# Altium PCB STM32MP25XXAK_2_DDR3L.PcbDoc (part 2 of 6)
Units mm, origin at the board's own origin, x right, y up, seen from the top; angles counter-clockwise.
Board outline 120 x 79.6 mm, 4 copper layers (Top Layer, Signal Layer 1, Signal Layer 2, Bottom Layer), stack 1.614 mm thick; 247 components, 155 nets, 1312 pads, 792 vias.
Unrouted connection lines stored in the file: 6.
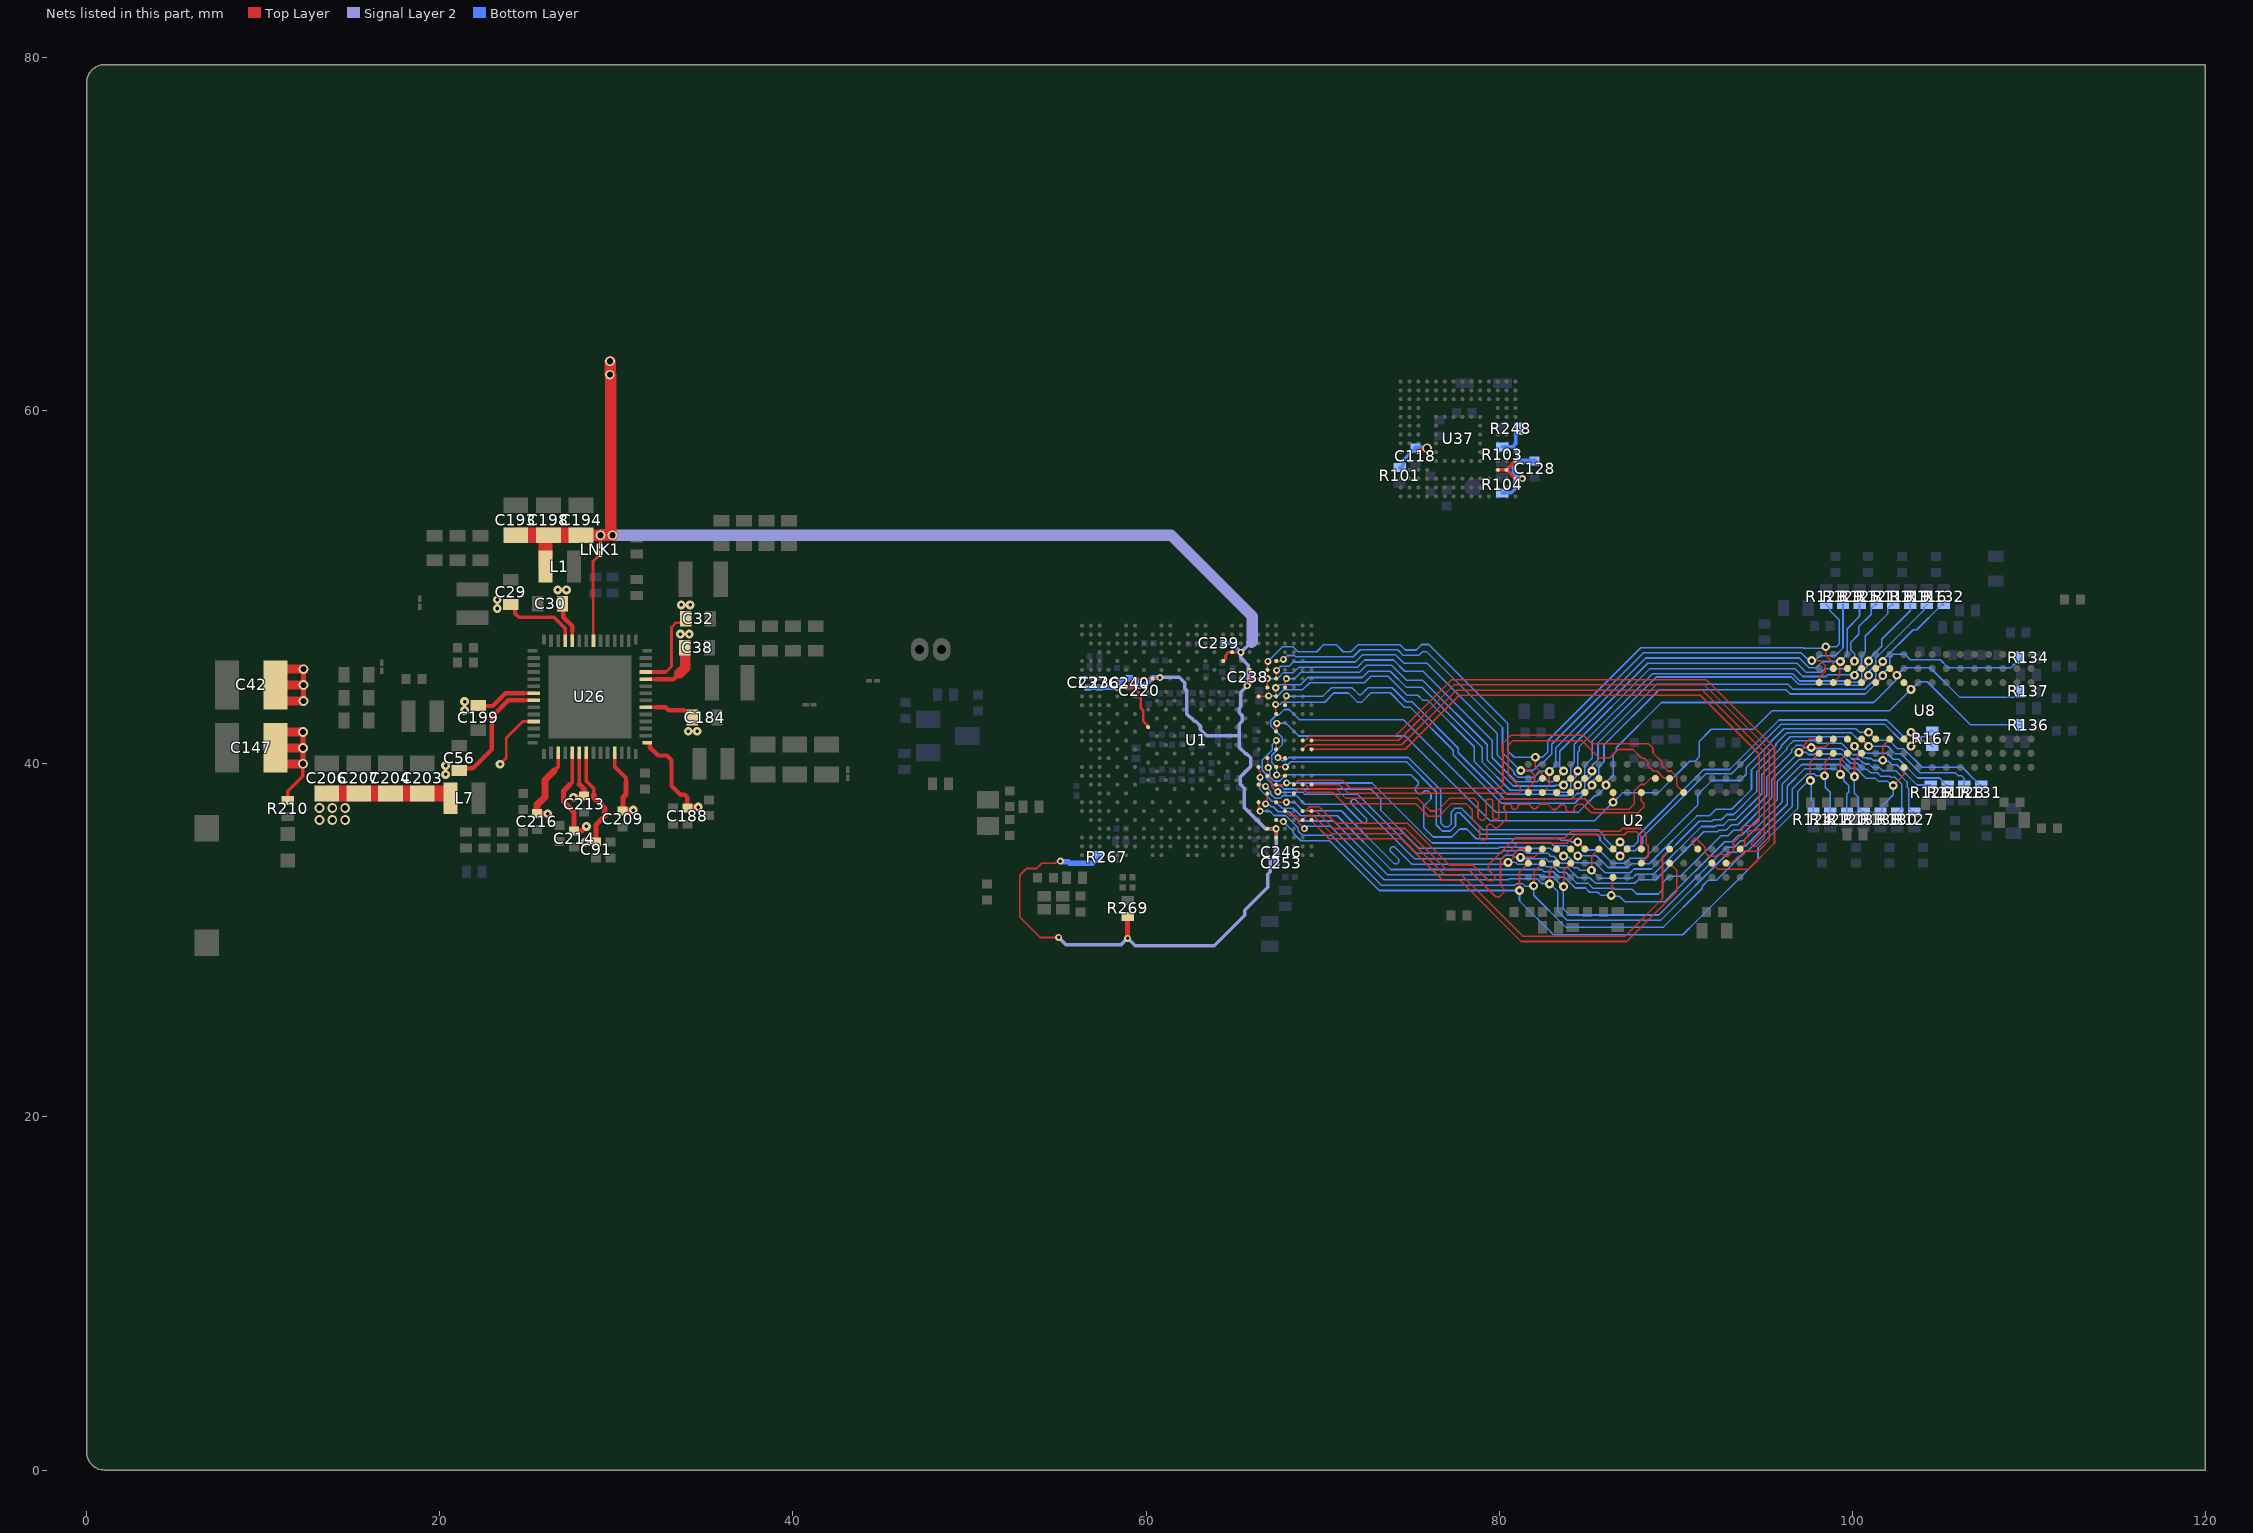
[diagram p4: the nets of this part, all layers, seen from the top]

## Part data
B2: library part MCD-03492, "Switch tactile, SPST-NO, 50mA, 12V, 6x3.8mm", Manufacturer="WURTH ELEKTRONIC", Manufacturer_Part_Number=434121025816, Package=6x3.8mm, Component_Country_Of_Origin=China°, ComponentLink1URL=http://tunmcdsvn.tun.st.com/Component_Documentation_Library/Trunk/Misc/WURTH_ELECTRONIK_434121025816, ID=5608, Internal_Part_Number=MCD-03492, Order_Code_Digikey=732-7045-2-ND, Order_Code_Farnell=1867991, Order_Code_RS=N/A, Part_Preference=Recommended, Part_Type=Misc, ShowFields=YES, Status=Checked
C9 C118 C130: library part MCD-00006, "Capacitor, MLCC, 100nF, 16V, X7R, +/-10%, 0402, T=0.5mm", Alternate_Manufacturer=MURATA, Alternate_Manufacturer_Part_Number=GCM155R71C104KA55D, Manufacturer=YAGEO, Manufacturer_Part_Number=CC0402KRX7R7BB104, Package=0402, Alternate_EMS=M, Component_Country_Of_Origin=China, ComponentLink1Description=Datasheet, ComponentLink1URL=http://tunmcdsvn.tun.st.com/Component_Documentation_Library/Trunk/Capacitor/YAGEO_X7R_Series, ID=2474, Internal_Part_Number=MCD-00006, Order_Code_Digikey=311-1338-1-ND, Order_Code_Farnell=9402047, Order_Code_RS=616-9701, Part_Preference=Recommended, Part_Type=Capacitor, Partial_Alternate_Internal_Part_Number=MCD-03299, ShowFields=YES, Status=Released
C22 C23 C24 C26 C27 C28 C34 C35 C36 C37 C41 C183 C200 C202: library part MCD-00100, "Capacitor, MLCC, 22uF, 6V3, X5R, +/-20%, 0603, T=0,8mm", Alternate_Manufacturer=N/A, Manufacturer=MURATA, Manufacturer_Part_Number=GRM188R60J226MEA0J, Package=0603, Alternate_Manufacturer_Part_Number=N/A, Component_Country_Of_Origin=Japan, ComponentLink1Description=Part_Information, ComponentLink1URL=http://tunmcdsvn.tun.st.com/Component_Documentation_Library/Trunk/Capacitor/MURATA_GRM_Series, ID=2766, Internal_Part_Number=MCD-00100, Order_Code_Digikey=490-7612-2-ND, Order_Code_Farnell=N/A, Order_Code_RS=N/A, Part_Preference=Recommended, Part_Type=Capacitor, ShowFields=YES, Status=Released
C29 C30 C32 C38 C56 C184 C199: library part MCD-00099, "Capacitor, MLCC, 10uF, 10V, X5R, +/-10%, 0603, T=0,8mm", Alternate_Manufacturer=N/A, Manufacturer=MURATA, Manufacturer_Part_Number=GRM188R61A106KE69D, Package=0603, Alternate_Manufacturer_Part_Number=N/A, Component_Country_Of_Origin=Japan, ComponentLink1Description=Part_Information, ComponentLink1URL=http://tunmcdsvn.tun.st.com/Component_Documentation_Library/Trunk/Capacitor/MURATA_GRM_Series, ID=2770, Internal_Part_Number=MCD-00099, Order_Code_Digikey=490-10474-1-ND, Order_Code_Farnell=2494233, Order_Code_RS=170-6168, Part_Preference=Recommended, Part_Type=Capacitor, ShowFields=YES, Status=Released
C33: library part MCD-00011, "Capacitor, MLCC, 10nF, 16V, X7R, 10%, 0402, T=0.5mm", Manufacturer=YAGEO, Manufacturer_Part_Number=CC0402KRX7R7BB103, Package=C0402, ComponentLink1Description=Datasheet, ComponentLink1URL=http://tunmcdsvn.tun.st.com/Component_Datasheet_Library/Trunk/Capacitors/Yageo_Multilayer_Capacitor_X7R_series_100pF_to_22uF, ECCN_EU=n/a, ECCN_US=n/a, Initial_Board_Reference=MB1274, Internal_Part_Number=MCD-00011, Part_Type=Capacitor, Provided_By=SUBCO, Status=Released
C39 C40: library part MCD-03140, "Capacitor, MLCC, 10uF, 6.3V, X5R, +/-20%, 0402, T=0.5mm", Manufacturer=MURATA, Manufacturer_Part_Number=GRM155R60J106ME05D, Package=0402, ComponentLink1URL=http://tunmcdsvn.tun.st.com/Component_Documentation_Library/Trunk/Capacitor/MURATA_GRM_Series, ID=5256, Internal_Part_Number=MCD-03140, Order_Code_Digikey=490-GRM155R60J106ME05DTR-ND, Order_Code_Farnell=3784428, Order_Code_RS=N/A, Part_Preference=Recommended, Part_Type=Capacitor, ShowFields=YES
  C39: Status=New
  C40: Component_Country_Of_Origin="China, Japan", Status=Checked
C42 C147: library part MCD-01796, "Capacitor, Tantalum, 100uF, 6V3, 40mR, +/-20%,  Type_B (3528 metric), T=1.9mm", Manufacturer=AVX, Manufacturer_Part_Number=TCJB107M006R0040, Package="3528 (metric)", Component_Country_Of_Origin=Lanskroun, ComponentLink1URL=http://tunmcdsvn.tun.st.com/Component_Documentation_Library/Trunk/Capacitor/AVX_TCJ_Series, ID=3896, Internal_Part_Number=MCD-01796, Order_Code_Digikey=478-9994-2-ND, Order_Code_Farnell=2728622, Order_Code_RS=N/A, Part_Preference=Recommended, Part_Type=Capacitor, Revision="July-2002: Re-released for DXP Platform.", ShowFields=YES, Status=Released
C43 C188 C213 C216: library part MCD-00095, "Capacitor, MLCC, 1uF, 25V, X5R, +/-10%, 0402, T=0.5mm", Manufacturer=MURATA, Manufacturer_Part_Number=GRM155R61E105KA12, Package=0402, Component_Country_Of_Origin=Japan, ComponentLink1URL=http://tunmcdsvn.tun.st.com/Component_Documentation_Library/Trunk/Capacitor/MURATA_GRM_Series, ID=2772, Internal_Part_Number=MCD-00095, Order_Code_Digikey=490-10017-1-ND, Order_Code_Farnell=2218855, Order_Code_RS=846-7287, Part_Preference=Recommended, Part_Type=Capacitor, ShowFields=YES, Status=Released
C44 C45 C46 C47 C48 C49 C50 C51 C52 C53 C54 C55 C57 C58 C59 C60 C62 C63 C64 C65 C66 C67 C68 C69 C70 C71 C72 C73 C74 C75 C76 C77 C82 C83: library part MCD-02377, "Capacitor, MLCC, 1uF, 6.3V, X5R, +/-20%, 0201, T=0,3mm", Manufacturer=MURATA, Manufacturer_Part_Number=GRM033R60J105MEA2, Package=0201, Component_Country_Of_Origin=Japan, ComponentLink1URL=http://tunmcdsvn.tun.st.com/Component_Documentation_Library/Trunk/Capacitor/MURATA_GRM_Series/GRM033R60J105MEA2/, ID=4483, Internal_Part_Number=MCD-02377, Order_Code_Digikey=490-7229-2-ND, Order_Code_Farnell=2470448, Order_Code_RS=820-0643, Part_Preference=Recommended, Part_Type=Capacitor, ShowFields=YES, Status=Checked
C61 C91 C189 C190 C208 C209 C214 C215 C217: library part MCD-01356, "Capacitor, MLCC, 4.7uF, 6V3, X5R, +/-20%, 0402, T=0.5mm", Manufacturer=MURATA, Manufacturer_Part_Number=GRM155R60J475ME47, Package=0402, Component_Country_Of_Origin=Japan, ComponentLink1URL=http://tunmcdsvn.tun.st.com/Component_Documentation_Library/Trunk/Capacitor/MURATA_GRM_Series, ID=3456, Internal_Part_Number=MCD-01356, Order_Code_Digikey=490-5915-1-ND, Order_Code_Farnell=2666407, Order_Code_RS=814-5230, Part_Preference=Recommended, Part_Type=Capacitor, ShowFields=YES, Status=Released
C81 C86 C90 C92: library part MCD-00674, "Capacitor, MLCC, 6.8pF, 50V, NPO, +-0.25pF, 0402, T=0.5mm", Alternate_Manufacturer=N/A, Manufacturer=YAGEO, Manufacturer_Part_Number=CC0402CRNPO9BN6R8, Package=0402, Alternate_Manufacturer_Part_Number=N/A, Component_Country_Of_Origin=China, ComponentLink1Description=Datasheet, ComponentLink1URL=http://tunmcdsvn.tun.st.com/Component_Documentation_Library/Trunk/Capacitor/YAGEO_NP0_Series, ID=3068, Initial_Board_Reference=MB1319, Internal_Part_Number=MCD-00674, Order_Code_Digikey=311-3327-1-ND, Order_Code_Farnell=N/A, Order_Code_RS=N/A, Part_Preference=Recommended, Part_Type=Capacitor, Provided_By=SUBCO, ShowFields=YES, Status=Released
  C81 C86: Item Type=Item, Path=ws/MCD_ApplicationBoards/Lists/MCDPARTSdatabase
  C90 C92: ECCN_EU=n/a, ECCN_US=n/a
C87: library part MCD-00006, "Capacitor,100nF,16V,X7R,10%,0402", Alternate_Manufacturer=MURATA, Alternate_Manufacturer_Part_Number=GCM155R71C104KA55D, Manufacturer=YAGEO, Manufacturer_Part_Number=CC0402KRX7R7BB104, Package=0402, Alternate_EMS=M, Component_Country_Of_Origin=China, ComponentLink1Description=Datasheet, ComponentLink1URL=http://tunmcdsvn.tun.st.com/Component_Documentation_Library/Trunk/Capacitor/YAGEO_X7R_Series, ECCN_EU=n/a, ECCN_US=n/a, ID=2474, Initial_Board_Reference=MB1274, Internal_Part_Number=MCD-00006, Order_Code_Digikey=311-1338-1-ND, Order_Code_Farnell=9402047, Order_Code_RS=616-9701, Part_Preference=Recommended, Part_Type=Capacitor, Partial_Alternate_Internal_Part_Number=MCD-03299, Provided_By=SUBCO, ShowFields=YES, Status=Released
C88: library part MCD-01823, "Capacitor, MLCC, 2.2uF, 6V3, X5R,+/-10%, 0402, T=0.5mm", Alternate_Manufacturer=N/A, Manufacturer=MURATA, Manufacturer_Part_Number=GRM155R60J225KE95D, Package=0402, Alternate_Manufacturer_Part_Number=N/A, Component_Country_Of_Origin=Japan, ComponentLink1URL=http://tunmcdsvn.tun.st.com/Component_Documentation_Library/Trunk/Capacitor/MURATA_GRM_Series, ID=3923, Internal_Part_Number=MCD-01823, Order_Code_Digikey=490-12532-1-ND, Order_Code_Farnell=2695865, Order_Code_RS=172-6478, Part_Preference=Recommended, Part_Type=Capacitor, ShowFields=YES, Status=Released
C100 C101 C109 C110: library part MCD-00099, "Capacitor, MLCC, 10uF, 10V, X5R, +/-10%, 0603, T=0.8mm", Alternate_Manufacturer=N/A, Manufacturer=MURATA, Manufacturer_Part_Number=GRM188R61A106KE69D, Package=0603, Alternate_Manufacturer_Part_Number=N/A, ComponentLink1URL=http://tunmcdsvn.tun.st.com/Component_Documentation_Library/Trunk/Capacitor/MURATA_GRM_Series, Internal_Part_Number=MCD-00099, Order_Code_Digikey=490-10474-1-ND, Order_Code_Farnell=2494233, Order_Code_RS=170-6168, Part_Preference=Recommended, Part_Type=Capacitor, Status=Released
C102 C103 C104 C105 C106 C107 C108 C111 C112 C113 C114 C115 C116 C119 C120 C121 C122 C125 C126 C127 C129 C131 C132 C133 C134 C135 C136 C137 C138 C139 C140 C146 C167 C177: library part MCD-00006, "Capacitor, MLCC, 100nF, 16V, X7R, +/-10%, 0402, T=0.5mm", Alternate_Manufacturer=MURATA, Alternate_Manufacturer_Part_Number=GCM155R71C104KA55D, Manufacturer=YAGEO, Manufacturer_Part_Number=CC0402KRX7R7BB104, Package=C0402, ComponentLink1Description=Datasheet, ComponentLink1URL=http://tunmcdsvn.tun.st.com/Component_Datasheet_Library/Trunk/Capacitors/Yageo_Multilayer_Capacitor_X7R_series_100pF_to_22uF, Internal_Part_Number=MCD-00006, Order_Code_Digikey=311-1338-1-ND, Order_Code_Farnell=9402047, Order_Code_RS=616-9701, Part_Preference=Recommended, Part_Type=Capacitor, Status=Released
C117 C128 C148: library part MCD-02606, "Capacitor, MLCC, 2.2uF, 6.3V, X5R, +/-10%, 0402, T=0.5mm", Manufacturer=YAGEO, Manufacturer_Part_Number=CC0402KRX5R5BB225, Package=0402, Component_Country_Of_Origin=China°, ComponentLink1URL=http://tunmcdsvn.tun.st.com/Component_Documentation_Library/Trunk/Capacitor/YAGEO_X5R_Series, ID=4712, Internal_Part_Number=MCD-02606, Order_Code_Digikey=311-1682-2-ND, Order_Code_Farnell=3366429, Order_Code_RS=1992205, Part_Preference=Recommended, Part_Type=Capacitor, ShowFields=YES, Status=Checked
C123 C124: library part MCD-00100, "Capacitor, MLCC, 22uF, 6V3, X5R, +/-20%, 0603, T=0,8mm", Manufacturer=MURATA, Manufacturer_Part_Number=GRM188R60J226MEA0J, Package=C0603, ComponentLink1Description=Datasheet, ComponentLink1URL=http://tunmcdsvn.tun.st.com/Component_Datasheet_Library/Trunk/Capacitors/Murata_Capacitor_GR_series, Internal_Part_Number=MCD-00100, Order_Code_Digikey=490-7612-2-ND, Order_Code_Farnell=N/A, Order_Code_RS=N/A, Part_Preference=Recommended, Part_Type=Capacitor, Status=Released
C151 C250 C252 C260: library part MCD-02377, "Capacitor, MLCC, 1uF, 6.3V, X5R, +/-20%, 0201, T=0,3mm", Alternate_Manufacturer=N/A, Manufacturer=MURATA, Manufacturer_Part_Number=GRM033R60J105MEA2, Package=0201, Alternate_Manufacturer_Part_Number=N/A, Component_Country_Of_Origin=Japan, ComponentLink1URL=http://tunmcdsvn.tun.st.com/Component_Documentation_Library/Trunk/Capacitor/MURATA_GRM_Series/GRM033R60J105MEA2/, ID=4483, Internal_Part_Number=MCD-02377, Order_Code_Digikey=490-7229-2-ND, Order_Code_Farnell=2470448, Order_Code_RS=820-0643, Part_Preference=Recommended, Part_Type=Capacitor, ShowFields=YES, Status=Checked
C185 C186 C187 C193 C194 C198 C203 C204 C206 C207: library part MCD-03139, "Capacitor, MLCC, 22uF, 10V, X5R, +/-20%, 0805, T=1,25mm", Manufacturer=MURATA, Manufacturer_Part_Number=GRM21BR61A226ME51L, Package=0805, Component_Country_Of_Origin="China, Japan", ComponentLink1URL=http://tunmcdsvn.tun.st.com/Component_Documentation_Library/Trunk/Capacitor/MURATA_GRM_Series, ID=5255, Internal_Part_Number=MCD-03139, Order_Code_Digikey=490-10511-2-ND, Order_Code_Farnell=2494270, Order_Code_RS=N/A, Part_Preference=Recommended, Part_Type=Capacitor, ShowFields=YES, Status=Checked
C192 C195 C196 C197 C201 C205 C220 C234 C236 C237 C238 C239 C240 C244 C246 C248 C251 C253: library part MCD-01535, "Capacitor, MLCC,100nF, 10V, X7R, +/-10%, 0201, T=0.3mm", Alternate_Manufacturer=N/A, Manufacturer=MURATA, Manufacturer_Part_Number=GRM033R61A104KE15, Package=0201, Alternate_Manufacturer_Part_Number=N/A, Component_Country_Of_Origin=Japan, ComponentLink1URL=http://tunmcdsvn.tun.st.com/Component_Documentation_Library/Trunk/Capacitor/MURATA_GRM_Series, ID=3635, Internal_Part_Number=MCD-01535, Order_Code_Digikey=490-5881-1-ND, Order_Code_Farnell=2470450, Order_Code_RS=790-2742, Part_Preference=Recommended, Part_Type=Capacitor, ShowFields=YES, Status=Checked
C219: library part MCD-02198, "Capacitor, MLCC, 10nF, 50V, X7R, +/-10%, 0402, T=0.5mm", Manufacturer=YAGEO, Manufacturer_Part_Number=CC0402KRX7R9BB103, Package=0402, Component_Country_Of_Origin=China, ComponentLink1URL=http://tunmcdsvn.tun.st.com/Component_Documentation_Library/Trunk/Capacitor/YAGEO_X7R_Series, ID=4298, Internal_Part_Number=MCD-02198, Order_Code_Digikey=N/A, Order_Code_Farnell=N/A, Order_Code_RS=6169644, Part_Preference=Recommended, Part_Type=Capacitor, ShowFields=YES, Status=Checked
C225: library part MCD-01534, "Capacitor, MLCC, 4,7uF, 6V3, X5R, +/-20%, 0201, T=0.5mm", Alternate_Manufacturer=N/A, Manufacturer=MURATA, Manufacturer_Part_Number=GRM035R60J475ME15, Package=0201, Alternate_Manufacturer_Part_Number=N/A, Component_Country_Of_Origin=Japan, ComponentLink1URL=http://tunmcdsvn.tun.st.com/Component_Documentation_Library/Trunk/Capacitor/MURATA_GRM_Series, ID=3634, Internal_Part_Number=MCD-01534, Order_Code_Digikey=490-13230-1-ND, Order_Code_Farnell=N/A, Order_Code_RS=N/A, Part_Preference=Recommended, Part_Type=Capacitor, ShowFields=YES, Status=Checked
C235: library part MCD-02235, "Capacitor, MLCC, 2.2uF, 10V, X5R,+/-10%, 0201, T=0.5mm", Manufacturer=MURATA, Manufacturer_Part_Number=GRM033R61A225KE47D, Package=0201, Component_Country_Of_Origin=Japan, ComponentLink1URL=http://tunmcdsvn.tun.st.com/Component_Documentation_Library/Trunk/Capacitor/MURATA_GRM_Series, ID=4335, Internal_Part_Number=MCD-02235, Order_Code_Digikey=490-13227-1-ND, Order_Code_Farnell=NA, Order_Code_RS=NA, Part_Preference=Recommended, Part_Type=Capacitor, ShowFields=YES, Status=Checked
CN12: library part MCD-00655, "Header 2 circuits, 1.25mm Pitch ,  Vertical, with Friction Lock", Alternate_Manufacturer=N/A, Manufacturer=MOLEX, Manufacturer_Part_Number=53047-0210, Alternate_Manufacturer_Part_Number=N/A, BMS_Part_Number=9083002, Component_Country_Of_Origin=Unknown, ComponentLink1Description=Datasheet, ComponentLink1URL=http://tunmcdsvn.tun.st.com/Component_Documentation_Library/Trunk/Connector/MOLEX_53047-0210/, ECCN_EU=n/a, ECCN_US=n/a, ID=3091, Initial_Board_Reference=MB1272, Internal_Part_Number=MCD-00655, Order_Code_Digikey=WM1731-ND, Order_Code_Farnell=9733051, Order_Code_RS=279-9213, Part_Preference=Recommended, Part_Type=Connector, Provided_By=SUBCO, ShowFields=YES, Status=Released
D6: library part MCD-03280, "Diode, Schottky, Dual Common Cathode, 0V3, 300mA, 40V, SOT-23", Manufacturer=STMICROELECTRONICS, Manufacturer_Part_Number=BAT54CFILM, Package=SOT-23, Component_Country_Of_Origin=China, ComponentLink1URL=http://tunmcdsvn.tun.st.com/Component_Documentation_Library/Trunk/Diode/STMICROELECTRONICS_BAT54_Series, Full_Alternate_Internal_Part_Number="BAT54C+, BAT54CLT1G, BAT54C-7-F, BAT54C,215", ID=5396, Internal_Part_Number=MCD-03280, Order_Code_Digikey=N/A, Order_Code_Farnell=9801499, Order_Code_RS=795-8397, Part_Preference=Recommended, Part_Type=Diode, ShowFields=YES, Status=New
D7: library part MCD-00034, Manufacturer=STMICROELECTRONICS, Manufacturer_HQ_COO=EU, BMS_Part_Number=9151097, Component_Country_Of_Origin=China, ComponentLink1URL=http://tunmcdsvn.tun.st.com/Component_Datasheet_Library/Trunk/Diodes/STM_Diode_BAT60JFILM-SOD323, ID=2483, Internal_Part_Number=MCD-00034, Manufacturer_Part_Number=BAT60JFILM, Part_Preference=Recommended, Part_Type=Diode, ShowFields=YES, Status=Released
L1 L6: library part MCD-03143, "Inductor, 2.2uH, +/-20%, Itemp= 1700mA, Isat= 2400mA, 0R140, 0806, T=1mm", Manufacturer=MURATA, Manufacturer_Part_Number=DFE201610E-2R2M=P2, Package=0806, Component_Country_Of_Origin=Vietnam, ComponentLink1URL=http://tunmcdsvn.tun.st.com/Component_Documentation_Library/Trunk/Inductor/MURATA_DFE201610E_Series, ID=5259, Internal_Part_Number=MCD-03143, Order_Code_Digikey="490-17728-2-ND -", Order_Code_Farnell=N/A, Order_Code_RS=N/A, Part_Preference=Recommended, Part_Type=Inductor, ShowFields=YES, Status=Checked
L2 L4: library part MCD-03142, "Inductor, 0.68uH, +/-20%, Itemp= 3900mA, Isat= 5400mA, 0R031, 1008, T=1.2mm", Manufacturer=MURATA, Manufacturer_Part_Number=DFE252012F-R68M=P2, Package=1008, Component_Country_Of_Origin=Vietnam, ComponentLink1URL=http://tunmcdsvn.tun.st.com/Component_Documentation_Library/Trunk/Inductor/MURATA_DFE252012F-6R8M=P2, ID=5258, Internal_Part_Number=MCD-03142, Order_Code_Digikey=490-13044-2-ND, Order_Code_Farnell=N/A, Order_Code_RS=N/A, Part_Preference=Recommended, Part_Type=Inductor, ShowFields=YES, Status=Checked
L3 L5 L7: library part MCD-03141, "Inductor, 0.68uH, +/-20%, Itemp= 3100mA, Isat= 4300mA, 0R043, 0806, T=1mm", Manufacturer=MURATA, Manufacturer_Part_Number=DFE201610E-R68M=P2, Package=0806, Component_Country_Of_Origin=Vietnam, ComponentLink1URL=http://tunmcdsvn.tun.st.com/Component_Documentation_Library/Trunk/Inductor/MURATA_DFE201610E_Series, ID=5257, Internal_Part_Number=MCD-03141, Order_Code_Digikey=N/A, Order_Code_Farnell=N/A, Order_Code_RS=N/A, Part_Preference=Recommended, Part_Type=Inductor, ShowFields=YES, Status=Checked
LD11: library part MCD-00588, "LED Green, 0603 SMD, Forward Voltage Typ=2V, Max=2.5V", Alternate_Manufacturer="VISHAY SEMICONDUCTOR OPTO DIVISION", Alternate_Manufacturer_Part_Number=VLMTG1300-GS08, Manufacturer="OSRAM OPTO SEMICONDUCTORS", Manufacturer_Part_Number="LG Q396-PS-35", Package="LED 0603", Alternate_Internal_Part_Number=MCD-02400, Component_Country_Of_Origin=Unknown, ComponentLink1Description=Datasheet, ComponentLink1URL=http://tunmcdsvn.tun.st.com/Component_Documentation_Library/Trunk/Display/OSRAM_OPTO_SEMICONDUCTORS_LG-Q396-PS-35, ECCN_EU=n/a, ECCN_US=n/a, Full_Alternate_Internal_Part_Number=MCD-02400, ID=3155, Internal_Part_Number=MCD-00588, Order_Code_Digikey="LG Q396-PS-35-ND", Order_Code_Farnell=N/A, Order_Code_RS=N/A, Part_Preference=Recommended, Part_Type=Display, Provided_By=SUBCO, ShowFields=YES, Status=Released
LNK1 LNK2 LNK4 LNK7 LNK8 LNK11: library part MCD-02777, "Track link on PCB 200um width for layout routing", Manufacturer=N/A, ComponentLink1URL=http://tunmcdsvn.tun.st.com/Component_Documentation_Library/Trunk, ID=4889, Internal_Part_Number=MCD-02777, Manufacturer_Part_Number=link_200, Order_Code_Digikey=N/A, Order_Code_Farnell=N/A, Order_Code_RS=N/A, Part_Preference=Recommended, Part_Type=Misc, ShowFields=YES, Status=Checked
R1: library part MCD-02253, "Resistor, 240R, 0201, +/-1%, 1/20W", Alternate_Manufacturer=N/A, Manufacturer=YAGEO, Manufacturer_Part_Number=RC0201FR-07240RL, Package=0201, Alternate_Manufacturer_Part_Number=N/A, Component_Country_Of_Origin=China, ComponentLink1URL=http://tunmcdsvn.tun.st.com/Component_Datasheet_Library/Trunk/Resistors/Yageo_Resistor_RC0201-series, ID=4353, Internal_Part_Number=MCD-02253, Order_Code_Digikey=YAG2528CT-ND, Order_Code_Farnell=N/A, Order_Code_RS=N/A, Part_Preference=Recommended, Part_Type=Resistor, ShowFields=YES, Status=Checked
R11: library part MCD-00056, "Resistor, 0R, 0603, +/-5%, 1/10W", Manufacturer=YAGEO, Manufacturer_Part_Number=RC0603JR-070RL, Package=0603, Component_Country_Of_Origin=China, ComponentLink1URL=http://tunmcdsvn.tun.st.com/Component_Documentation_Library/Trunk/Resistor/YAGEO_RC_L_Series, ID=2536, Internal_Part_Number=MCD-00056, Order_Code_Digikey=311-0.0GRCT-ND, Order_Code_Farnell=9233130RL, Order_Code_RS=N/A, Part_Preference=Recommended, Part_Type=Resistor, ShowFields=YES, Status=Released
R27 R272: library part MCD-00053, "Resistor,10K,0402,1%,1/16W", Alternate_Manufacturer=N/A, Manufacturer=YAGEO, Manufacturer_Part_Number=RC0402FR-0710KL, Package=0402, Alternate_Manufacturer_Part_Number=N/A, BMS_Part_Number=9131590, Component_Country_Of_Origin=China, ComponentLink1Description=Datasheet, ComponentLink1URL=http://tunmcdsvn.tun.st.com/Component_Documentation_Library/Trunk/Resistor/YAGEO_RC_L_Series, ID=2539, Internal_Part_Number=MCD-00053, Order_Code_Digikey=311-10.0KLRCT-ND, Order_Code_Farnell=9239359, Order_Code_RS=N/A, Part_Preference=Recommended, Part_Type=Resistor, ShowFields=YES, Status=Released
R46 R57 R59 R60 R61 R64 R75 R81 R267 R269 R286: library part MCD-00052, "Resistor,0R,0402,5%,1/16W", Alternate_Manufacturer=N/A, Manufacturer=YAGEO, Manufacturer_Part_Number=RC0402JR-070RL, Package=0402, Alternate_Manufacturer_Part_Number=N/A, Component_Country_Of_Origin=China, ComponentLink1Description=Datasheet, ComponentLink1URL=http://tunmcdsvn.tun.st.com/Component_Documentation_Library/Trunk/Resistor/YAGEO_RC_L_Series, ID=2540, Initial_Board_Reference=mb1274, Internal_Part_Number=MCD-00052, Order_Code_Digikey=311-0.0JRCT-ND, Order_Code_Farnell=9232516RL, Order_Code_RS=618-5804, Part_Preference=Recommended, Part_Type=Resistor, Provided_By=SUBCO, ShowFields=YES, Status=Released
  R46 R57 R59 R60 R61 R81 R267 R269 R286: ECCN_EU=NEC, ECCN_US=EAR99
  R64 R75: ECCN_EU=n/a, ECCN_US=n/a
R66: library part MCD-00058, "Resistor, 20R, 0402, +/-1%, 1/16W", Alternate_Manufacturer=N/A, Manufacturer=YAGEO, Manufacturer_Part_Number=RC0402FR-0720RL, Package=0402, Alternate_Manufacturer_Part_Number=N/A, BMS_Part_Number=9131027, Component_Country_Of_Origin=China, ComponentLink1URL=http://tunmcdsvn.tun.st.com/Component_Documentation_Library/Trunk/Resistor/YAGEO_RC_L_Series, ID=2537, Internal_Part_Number=MCD-00058, Order_Code_Digikey=311-20LRCT-ND, Order_Code_Farnell=1799192, Order_Code_RS=N/A, Part_Preference=Recommended, Part_Type=Resistor, ShowFields=YES, Status=Released
R67: library part MCD-00052, "Resistor, 0R, 0402, +/-5%, 1/16W", Manufacturer=YAGEO, Manufacturer_Part_Number=RC0402JR-070RL, Package=0402, Component_Country_Of_Origin=China, ComponentLink1URL=http://tunmcdsvn.tun.st.com/Component_Documentation_Library/Trunk/Resistor/YAGEO_RC_L_Series, ID=2540, Internal_Part_Number=MCD-00052, Order_Code_Digikey=311-0.0JRCT-ND, Order_Code_Farnell=9232516RL, Order_Code_RS=618-5804, Part_Preference=Recommended, Part_Type=Resistor, ShowFields=YES, Status=Released
R101 R103 R104 R248: library part MCD-00053, "Resistor,10K,0402,1%,1/16W", Manufacturer=YAGEO, Manufacturer_Part_Number=RC0402FR-0710KL, Package=0402, BMS_Part_Number=9131590, Component_Country_Of_Origin=China, ComponentLink1Description=Datasheet, ComponentLink1URL=http://tunmcdsvn.tun.st.com/Component_Documentation_Library/Trunk/Resistor/YAGEO_RC_L_Series, ECCN_EU=NEC, ECCN_US=EAR99, ID=2539, Internal_Part_Number=MCD-00053, Order_Code_Digikey=311-10.0KLRCT-ND, Order_Code_Farnell=9239359, Order_Code_RS=N/A, Part_Preference=Recommended, Part_Type=Resistor, Provided_By=SUBCO, ShowFields=YES, Status=Released
R116 R117 R118 R119 R120 R121 R122 R123 R124 R125 R126 R127 R128 R129 R130 R131 R132 R133 R134 R135 R136 R137 R138 R139 R140: library part MCD-00054, "Resistor, 56R, 0402, +/-1%, 1/16W", Alternate_Manufacturer=N/A, Manufacturer=YAGEO, Manufacturer_Part_Number=RC0402FR-0756RL, Package=0402, Alternate_Manufacturer_Part_Number=N/A, ComponentLink1URL=http://tunmcdsvn.tun.st.com/Component_Documentation_Library/Trunk/Resistor/YAGEO_RC_L_Series, Internal_Part_Number=MCD-00054, Order_Code_Digikey=311-56.0LRCT-ND, Order_Code_Farnell=9239081, Order_Code_RS=N/A, Part_Preference=Recommended, Part_Type=Resistor, Status=Released
R141 R142 R143 R144 R146 R147 R148 R149: library part MCD-00061, "Resistor, 1K, 0402, +/-1%,1/16W", Manufacturer=YAGEO, Manufacturer_Part_Number=RC0402FR-071KL, Package=0402, Component_Country_Of_Origin=China, ComponentLink1URL=http://tunmcdsvn.tun.st.com/Component_Documentation_Library/Trunk/Resistor/YAGEO_RC_L_Series, ID=2532, Internal_Part_Number=MCD-00061, Order_Code_Digikey=311-1.00KLRCT-ND, Order_Code_Farnell=9239235, Order_Code_RS=9239235, Part_Preference=Recommended, Part_Type=Resistor, ShowFields=YES, Status=Released
R145 R150: library part MCD-00120, "Resistor,240R,0402,1%,1/16W", Manufacturer=YAGEO, Manufacturer_Part_Number=RC0402FR-07240RL, Package=R0402, ComponentLink1Description=Datasheet, ComponentLink1URL=http://tunmcdsvn.tun.st.com/Component_Datasheet_Library/Trunk/Resistors/Yageo_Resistor_RC0402-series, Internal_Part_Number=MCD-00120, Order_Code_Digikey=311-240LRCT-ND, Order_Code_Farnell=1458766, Order_Code_RS=N/A, Part_Preference=Recommended, Part_Type=Resistor, Status=Released
R156: library part MCD-00053, "Resistor,10K,0402,1%,1/16W", Manufacturer=YAGEO, Manufacturer_Part_Number=RC0402FR-0710KL, Package=R0402, BMS_Part_Number=9131590, ComponentLink1Description=Datasheet, ComponentLink1URL=http://tunmcdsvn.tun.st.com/Component_Datasheet_Library/Trunk/Resistors/Yageo_Resistor_RC0402-series, Internal_Part_Number=MCD-00053, Order_Code_Digikey=311-10.0KLRCT-ND, Order_Code_Farnell=9239359, Order_Code_RS=N/A, Part_Preference=Recommended, Part_Type=Resistor, Status=Released
R167: library part MCD-01819, "Resistor,100R,0402,0,5%,1/16W,±100ppm/°C", Manufacturer=YAGEO, Manufacturer_Part_Number=RC0402DR-07100RL, Package=R0402, ComponentLink1Description=Datasheet, ComponentLink1URL=http://tunmcdsvn.tun.st.com/Component_Datasheet_Library/Trunk/Resistors/Yageo_Resistor_RC0603-series/Yageo_Resistor_RC_Group_51_RoHS.pdf, Internal_Part_Number=MCD-01819, Order_Code_Digikey=RC0402DR-07100RL-ND, Order_Code_Farnell=N/A, Order_Code_RS=N/A, Part_Preference=Recommended, Part_Type=Resistor, Status=Released
R210: library part MCD-00441, "Resistor,270R,0402,1%,1/16W", Manufacturer=YAGEO, Manufacturer_Part_Number=RC0402FR-07270RL, Package=0402, Component_Country_Of_Origin=China, ComponentLink1Description=Datasheet, ComponentLink1URL=http://tunmcdsvn.tun.st.com/Component_Documentation_Library/Trunk/Resistor/YAGEO_RC_L_Series, ECCN_EU=NEC, ECCN_US=EAR99, ID=2838, Internal_Part_Number=MCD-00441, Order_Code_Digikey=311-270LRCT-ND, Order_Code_Farnell=9239162, Order_Code_RS=N/A, Part_Preference=Recommended, Part_Type=Resistor, Provided_By=SUBCO, ShowFields=YES, Status=Released
R260 R261: library part MCD-00068, "Resistor,1K5,0402,1%,1/16W", Manufacturer=YAGEO, Manufacturer_Part_Number=RC0402FR-071K5L, Package=0402, Component_Country_Of_Origin=China, ComponentLink1Description=Datasheet, ComponentLink1URL=http://tunmcdsvn.tun.st.com/Component_Documentation_Library/Trunk/Resistor/YAGEO_RC_L_Series, ID=2524, Internal_Part_Number=MCD-00068, Order_Code_Digikey=311-1.50KLRCT-ND, Order_Code_Farnell=9239251, Order_Code_RS=N/A, Part_Preference=Recommended, Part_Type=Resistor, ShowFields=YES, Status=Released
TP21: library part MCD-00074, "Test Point 1mm", Manufacturer=n/a, ComponentLink1Description=Datasheet, ComponentLink1URL=http://na, ECCN_EU=n/a, ECCN_US=n/a, ID=2518, Internal_Part_Number=MCD-00074, Manufacturer_Part_Number=n/a, Order_Code_Digikey=N/A, Order_Code_Farnell=N/A, Order_Code_RS=N/A, Part_Preference=Recommended, Part_Type=Misc, Provided_By=n/a, ShowFields=YES, Status=Released
U1: library part MCD-03375, "MPU , 2xCortex-A35@1.5GHz, Cortex-M33@400MHz, TFBGA 14x14, pitch 0.5, 648KB SRAM, With Crypto", Manufacturer=STMICROELECTRONICS, Package=TFBGA, Component_Country_Of_Origin=Unknown, ComponentLink1URL=http://tunmcdsvn.tun.st.com/Component_Documentation_Library/Trunk/IC/STMICROELECTRONICS_STM32MP257FAK3, ID=5491, Internal_Part_Number=MCD-03375, Manufacturer_Part_Number=STM32MP257FAK3, Order_Code_Digikey=N/A, Order_Code_Farnell=N/A, Order_Code_RS=N/A, Part_Preference=Recommended, Part_Type=IC, ShowFields=YES, Status=Checked
U2 U8: library part MCD-01811, "Memory,DDR3L,4Gb,256Mbx16,933Mhz,1V35,TFBGA", Manufacturer=NANYA, BMS_Part_Number=9171435, ComponentLink1URL=http://tunmcdsvn.tun.st.com/Component_Datasheet_Library/Trunk/IC/Nanya_DDR3_NT5CC256M16ER-EK, Internal_Part_Number=MCD-01811, Manufacturer_Part_Number=NT5CC256M16ER-EK, Part_Preference=Recommended, Part_Type=IC, Status=Released
U26: library part MCD-03000, "STPMIC2", Manufacturer=STMICROELECTRONICS, Package=VQFN, Component_Country_Of_Origin=Unknown, ComponentLink1Description=Datasheet, ComponentLink1URL=http://tunmcdsvn.tun.st.com/Component_Documentation_Library/Trunk/IC/STMICROELECTRONICS_STPMIC2, ID=5116, Internal_Part_Number=MCD-03000, Manufacturer_Part_Number=STPMIC25APQR, Order_Code_Digikey=N/A, Order_Code_Farnell=N/A, Order_Code_RS=N/A, Part_Preference=Recommended, Part_Type=IC, ShowFields=YES, Status=Released
U37: library part MCD-02799, "Memory, eMMC, 4GB, 15nm ,WFBGA , 153 pins", Manufacturer=KIOXIA, Manufacturer_Part_Number=THGBMTG5D1LBAIL, Package=WFBGA153, Component_Country_Of_Origin=Unknown, ComponentLink1URL=http://tunmcdsvn.tun.st.com/Component_Documentation_Library/Trunk/IC/KIOXIA_THGBMTG5D1LBAIL, ID=4911, Internal_Part_Number=MCD-02799, Order_Code_Digikey=N/A, Order_Code_Farnell=N/A, Order_Code_RS=N/A, Part_Preference=Recommended, Part_Type=IC, ShowFields=YES, Status=Checked
X1: library part MCD-01479, "Crystal, 32.768kHz, 6pF, +/-20ppm, 80K, 2.05x1.2mm", Manufacturer=NDK, Manufacturer_Part_Number=NX2012SA-32.768KHZ-EXS00A-MU00527, Package=2.05x1.2mm, BMS_Part_Number=9157049, Component_Country_Of_Origin=Unknown, ComponentLink1URL=http://tunmcdsvn.tun.st.com/Component_Documentation_Library/Trunk/Crytal_Oscillator/NDK_NX2012SA_Series, ID=3579, Internal_Part_Number=MCD-01479, Order_Code_Digikey=644-1352, Order_Code_Farnell=N/A, Order_Code_RS=N/A, Part_Preference=Recommended, Part_Type=Crystal_Osc, ShowFields=YES, Status=Released
X2: library part MCD-02344, "Crystal, 40MHz, 6pF, +/-20ppm, 80R, 1.6x1.2mm", Manufacturer=NDK, Manufacturer_Part_Number=NX1612SA-40MHZ-EXS00A-CS13836, Package=1.6x1.2mm, Component_Country_Of_Origin=Unknown, ComponentLink1URL=http://tunmcdsvn.tun.st.com/Component_Documentation_Library/Trunk/Crytal_Oscillator/NDK_NX1612SA_Series/, ID=4450, Internal_Part_Number=MCD-02344, Order_Code_Digikey=N/A, Order_Code_Farnell=N/A, Order_Code_RS=N/A, Part_Preference=Recommended, Part_Type=Crystal_Osc, ShowFields=YES, Status=Checked

## Via types
v1: diameter 0.55, hole 0.35, Top Layer to Bottom Layer, 275 vias
v2: diameter 0.4, hole 0.2, Top Layer to Bottom Layer, tented both sides, 246 vias
v3: diameter 0.5, hole 0.2, Top Layer to Bottom Layer, 146 vias
v4: diameter 0.5, hole 0.25, Top Layer to Bottom Layer, 125 vias

## Nets (pads, with @x,y where several pads share a name; then routed paths per layer and width w, separated by ;. In a path a pad name is that pad's centre, name@x,y a point inside that pad or via, vN(x,y) a via of type N, cw(c..) or ccw(c..) an arc to the next point about the centre after c; other vN are vias at no path point)
1V8: C118.2 C128.2 C193.2 C194.2 C198.2 C220.2 C236.2 C237.2 C238.2 C239.2 C240.2 C246.2 C253.2 L1.2 LNK1.2 R101.2 R103.2 R104.2 R248.2 R267.2 R269.1 U1.1E1 U1.AD22 U1.AE23 U1.D18 U1.E17 U1.F20 U1.G5 U1.G7 U1.G9 U1.G19 U1.H6 U37.C6 U37.M4 U37.N4 U37.P3 U37.P5 | length 137.4
  Top Layer w0.1: v2(55.049,30.165) 54.012,30.165 52.854,31.323 52.854,33.688 53.244,34.078 53.813,34.078 54.103,34.368 54.86,34.368 54.967,34.474 55.127,34.474 v2(55.146,34.494)
  Top Layer w0.15: U1.G5@58.375,44.825 v2(58.375,44.325) U1.H6@58.875,44.325 ; U1.1E1@60.125,42.075 60.125,42.097 60.085,42.137 60.085,42.17 59.835,42.42 59.835,43.035 59.702,43.168 59.702,43.926 59.304,44.325 U1.H6@58.875,44.325 ; v2@60.792,44.887 v2(60.79,44.885) 60.73,44.825 U1.G9@60.375,44.825 U1.G7@59.375,44.825 U1.H6@58.875,44.325 ; U1.E17@64.375,45.825 64.375,45.828 64.5,45.953 64.5,46.139 64.683,46.322 U1.D18@64.872,46.322 ; U1.D18@64.853,46.325 U1.D18@64.875,46.325 65.372,46.325 v2(65.378,46.319) ; U1.G19@65.378,44.822 65.735,44.465 v2(65.735,44.426) 65.735,44.412 65.973,44.651 65.973,45.205 65.875,45.303 U1.F20@65.875,45.325 ; U1.AD22@66.875,36.325 v2(67.375,36.325) U1.AE23@67.375,35.825 ; U37.P3@80.925,56.155 v2(81.325,56.155)
  Top Layer w0.2: LNK1.2@29.1,52.348 v1(29.1,52.95) ; U37.C6@75.425,57.655 75.602,57.832 75.877,57.832 v1(75.925,57.88) ; U37.M4@79.925,56.655 U37.N4@80.425,56.655 ; U37.P3@80.925,56.155 U37.N4@80.425,56.655 ; U37.P5@80.925,57.155 U37.N4@80.425,56.655
  Top Layer w0.3: R269.1@58.956,31.358 58.956,30.117 v2(58.962,30.112)
  Top Layer w0.64: C194.2@28,52.95 v1(29.1,52.95) v1(29.78,52.95) 29.674,53.056 v1@29.674,62.004 ; v1@29.66,62.075 v1@29.66,62.782
  Top Layer w0.8: L1.2@25.995,51.175 25.995,52.9 26.045,52.95 C198.2@26.15,52.95
  Top Layer w0.9: C193.2@24.3,52.95 C198.2@26.045,52.95 ; C198.2@26.15,52.95 C194.2@28,52.95
  Signal Layer 2 w0.2: v2(55.049,30.165) 55.449,29.766 58.598,29.766 v2@58.944,30.112 ; v2(58.962,30.112) 59.386,29.688 63.861,29.688 65.603,31.43 65.603,31.711 66.9,33.008 66.9,33.754 67.041,33.895 67.041,34.559 67.375,34.893 v2(67.375,36.325) ; v2(60.79,44.885) 60.811,44.906 61.89,44.906 62.2,44.596 62.2,44.264 62.32,44.144 62.32,42.814 62.725,42.409 62.81,42.409 63.077,42.143 ; 63.075,42.156 63.077,42.155 63.077,42.143 ; 65.285,41.575 65.285,40.928 65.64,40.572 65.694,40.572 65.93,40.336 65.93,39.851 65.349,39.271 65.349,38.835 65.569,38.615 65.569,37.527 65.566,37.525 66.77,36.322 v2@67.372,36.322 ; v2@65.674,44.353 65.773,44.452 65.773,44.591 65.794,44.612 65.794,45.583 65.378,45.999 v2(65.378,46.319) 65.927,46.868 65.981,46.868 ; v2@65.734,44.411 65.375,44.053 65.375,43.231 65.284,43.14 65.284,42.894 65.44,42.738 65.44,42.406 65.285,42.251 65.285,41.593 63.445,41.593 63.077,41.961 63.077,42.143
  Signal Layer 2 w0.64: v1@29.1,52.955 v1@29.78,52.955 ; v1(29.78,52.95) 61.405,52.95 ; 61.411,52.956 66.023,48.344 66.023,46.91 65.981,46.868
  Bottom Layer w0.15: v2(67.375,36.325) 67.375,34.827 67.391,34.811
  Bottom Layer w0.2: C239.2@64.4,46.837 64.86,46.837 v2(65.378,46.319) ; v2@65.735,44.411 65.958,44.635 65.958,44.819 C238.2@66.033,44.894 ; R101.2@74.375,56.775 74.425,56.775 74.58,56.93 74.58,57.2 75.08,57.7 75.08,57.725 75.235,57.88 C118.2@75.26,57.88 ; R103.2@80.171,57.961 80.769,57.961 ; R104.2@80.175,55.355 80.69,55.355 80.885,55.55 80.885,55.998 81.061,56.174 ; 81.075,57.136 81.075,57.655 80.769,57.961 ; R248.2@81.107,58.98 80.952,58.825 80.952,58.144 80.769,57.961
  Bottom Layer w0.25: C253.2@67.391,34.385 67.391,34.811 C246.2@67.391,34.986
  Bottom Layer w0.3: v2(55.146,34.494) 55.165,34.474 55.236,34.474 55.259,34.452 55.612,34.452 55.689,34.375 56.975,34.375 57.123,34.523 57.218,34.523 57.323,34.628 R267.2@57.323,34.723 ; C237.2@56.696,44.325 C236.2@57.35,44.325 v2@58.386,44.325 ; v2(58.375,44.325) 58.394,44.344 58.394,44.53 58.689,44.825 59.025,44.825 C240.2@59.025,44.85 ; C240.2@58.984,44.85 59.125,44.85 59.15,44.825 59.19,44.825 59.3,44.715 59.399,44.715 59.54,44.574 59.54,44.475 C220.2@59.609,44.406 59.634,44.431 59.911,44.431 60.372,44.892 60.783,44.892 v2(60.79,44.885) ; C118.2@75.26,57.88 v1(75.925,57.88) ; v2(81.325,56.155) 81.306,56.174 81.061,56.174 80.867,56.368 80.867,56.928 81.075,57.136 81.306,57.136 81.325,57.155 C128.2@82.015,57.155
  other v1: 29.631,62.047 29.642,62.8
1V8_FB: LNK1.1 U26.35 | length 5.1
  Top Layer w0.15: U26.35@28.7,46.97 28.7,49.311 28.675,49.336 28.675,51.473 LNK1.1@29.1,51.898
3V3: C203.2 C204.2 C206.2 C207.2 C216.2 L7.2 U26.3 U26.53 | length 15.3
  Top Layer w0.15: v3(23.41,39.977) 23.762,40.329 23.762,41.465 24.697,42.4 U26.53@25.33,42.4 ; U26.53@25.12,42.369 25.419,42.369 U26.53@25.45,42.4
  Top Layer w0.21: 26.473,39.598 26.7,39.825 U26.3@26.7,40.63
  Top Layer w0.3: C216.2@25.475,37.175 C216.2@25.5,37.175 v3@26.085,37.175
  Top Layer w0.4: C216.2@25.5,37.175 25.514,37.189 25.514,37.685 25.96,38.131 25.96,39.085 26.473,39.598
  Top Layer w0.9: C206.2@13.587,38.323 C203.2@19,38.323 20.362,38.323 L7.2@20.387,38.298
  other v1: 13.187,36.823 13.912,36.823 14.637,36.823 13.187,37.498 13.912,37.498 14.637,37.498
  other v3: 26.11,37.175
5V_HDMI: C91.1 U26.7 | length 6.1
  Top Layer w0.21: U26.7@28.3,40.63 28.3,39.025 28.715,38.61 28.715,38.253
  Top Layer w0.3: v3(28.24,35.58) C91.1@28.85,35.58 ; 28.715,38.253 28.715,38.118 29.335,37.498 29.335,37.035 28.85,36.55 C91.1@28.85,35.73
5V_STLK: C29.2 C30.2 C32.2 C38.2 C42.1 C56.2 C147.1 C184.2 C188.2 C199.2 C209.2 C213.2 R210.1 U26.6 U26.11 U26.15 U26.20 U26.24 U26.25 U26.38 U26.39 U26.49 U26.50 | length 56.6
  Top Layer w0.15: 32.8,45.2 33.125,45.525 33.125,47.731 33.388,47.994 33.819,47.994 C32.2@33.925,48.1
  Top Layer w0.2: R210.1@11.386,37.915 11.386,38.449 12.244,39.307 v1@12.244,39.994
  Top Layer w0.21: C29.2@24.025,49.05 24.262,48.813 24.262,48.513 24.475,48.3 26.464,48.3 27.1,47.664 U26.39@27.1,46.97 ; 24.775,43.6 U26.50@25.33,43.6 ; 24.775,44 U26.49@25.33,44 ; U26.38@27.5,46.97 27.5,47.525 ; 27.9,38.85 U26.6@27.9,40.63 ; U26.11@29.9,40.63 29.9,39.843 30.54,39.203 30.54,38.975 ; U26.15@31.67,41.2 U26.15@31.745,41.2 U26.15@31.785,41.2 ; U26.20@31.67,43.2 32.225,43.2 ; U26.24@31.67,44.8 32.207,44.8 ; U26.25@31.67,45.2 32.8,45.2
  Top Layer w0.25: C56.2@21.1,39.75 21.875,39.75 22.95,40.825 22.95,42.669 23.881,43.6 24.775,43.6 ; C199.2@22.175,43.275 22.991,43.275 23.716,44 24.775,44 ; C30.2@26.925,49.075 26.994,49.006 26.994,48.308 27.5,47.802 27.5,47.525 ; 31.895,41.095 31.895,40.947 32.371,40.472 32.853,40.472 33.125,40.2 33.125,38.759 33.634,38.25 33.879,38.25 34.025,38.104 C188.2@34.025,37.55 ; 32.207,44.8 33.25,44.8 33.575,45.125 ; 32.225,43.2 32.788,43.2 32.963,43.025 33.847,43.025 33.972,42.9 34.05,42.9 34.247,42.703 C184.2@34.247,42.625
  Top Layer w0.3: v1@12.25,40 12.25,40.902 12.25,40.906 v1@12.25,41.8 ; v1@12.275,43.563 12.275,44.463 v1@12.275,45.363 ; v3(27.565,38.11) 28.175,38.11 28.174,38.111 28.174,38.576 27.9,38.85 ; C209.2@30.35,37.38 C209.2@30.375,37.38 ; 30.54,38.975 30.54,38.269 30.375,38.104 C209.2@30.375,37.38 ; v3(30.96,37.38) C209.2@30.375,37.38 ; C188.2@34.025,37.55 v3(34.635,37.55)
  Top Layer w0.5: C147.1@10.686,39.994 12.244,39.994 v1@12.269,39.994 ; C147.1@10.686,40.906 12.25,40.906 v1@12.269,40.906 ; C147.1@10.686,41.806 v1@12.269,41.806 ; C42.1@10.686,43.557 v1@12.269,43.557 ; C42.1@10.686,44.468 v1@12.269,44.468 ; C42.1@10.686,45.368 v1@12.269,45.368
  Top Layer w0.6: 33.575,45.125 33.9,45.45 C38.2@33.9,46.175
  other v1: 12.251,40.002 12.251,40.902 12.251,41.802 12.276,43.565 12.276,44.465 12.276,45.365
  other v3: 20.325,39.4 20.325,39.9 34.075,41.85 34.575,41.85 21.4,43.025 21.4,43.525 33.625,47.35 34.125,47.35 23.25,48.8 33.675,49 34.175,49 23.25,49.3 26.675,49.85 27.175,49.85
5V_VCONN: C214.1 U26.5 | length 5.7
  Top Layer w0.21: 27.378,38.827 27.5,38.95 U26.5@27.5,40.63
  Top Layer w0.3: 27.378,38.827 27.01,38.46 27.01,37.865 27.6,37.275 C214.1@27.6,36.2 28.04,36.2 v3(28.3,36.46)
DDR_A0: R116.1 U1.J21 U2.N3 U8.N3 | length 49.2
  Top Layer w0.09: U1.J21@66.375,43.825 66.387,43.837 66.937,43.837 v2(66.95,43.85) ; U2.N3@84.057,38.377 84.057,38.425 v4@84.442,38.81 ; U8.N3@100.532,44.602 100.532,44.65 v4@100.932,45.05